# Altium PCB betrusted_evt2b.PcbDoc (part 3 of 6) (continued)
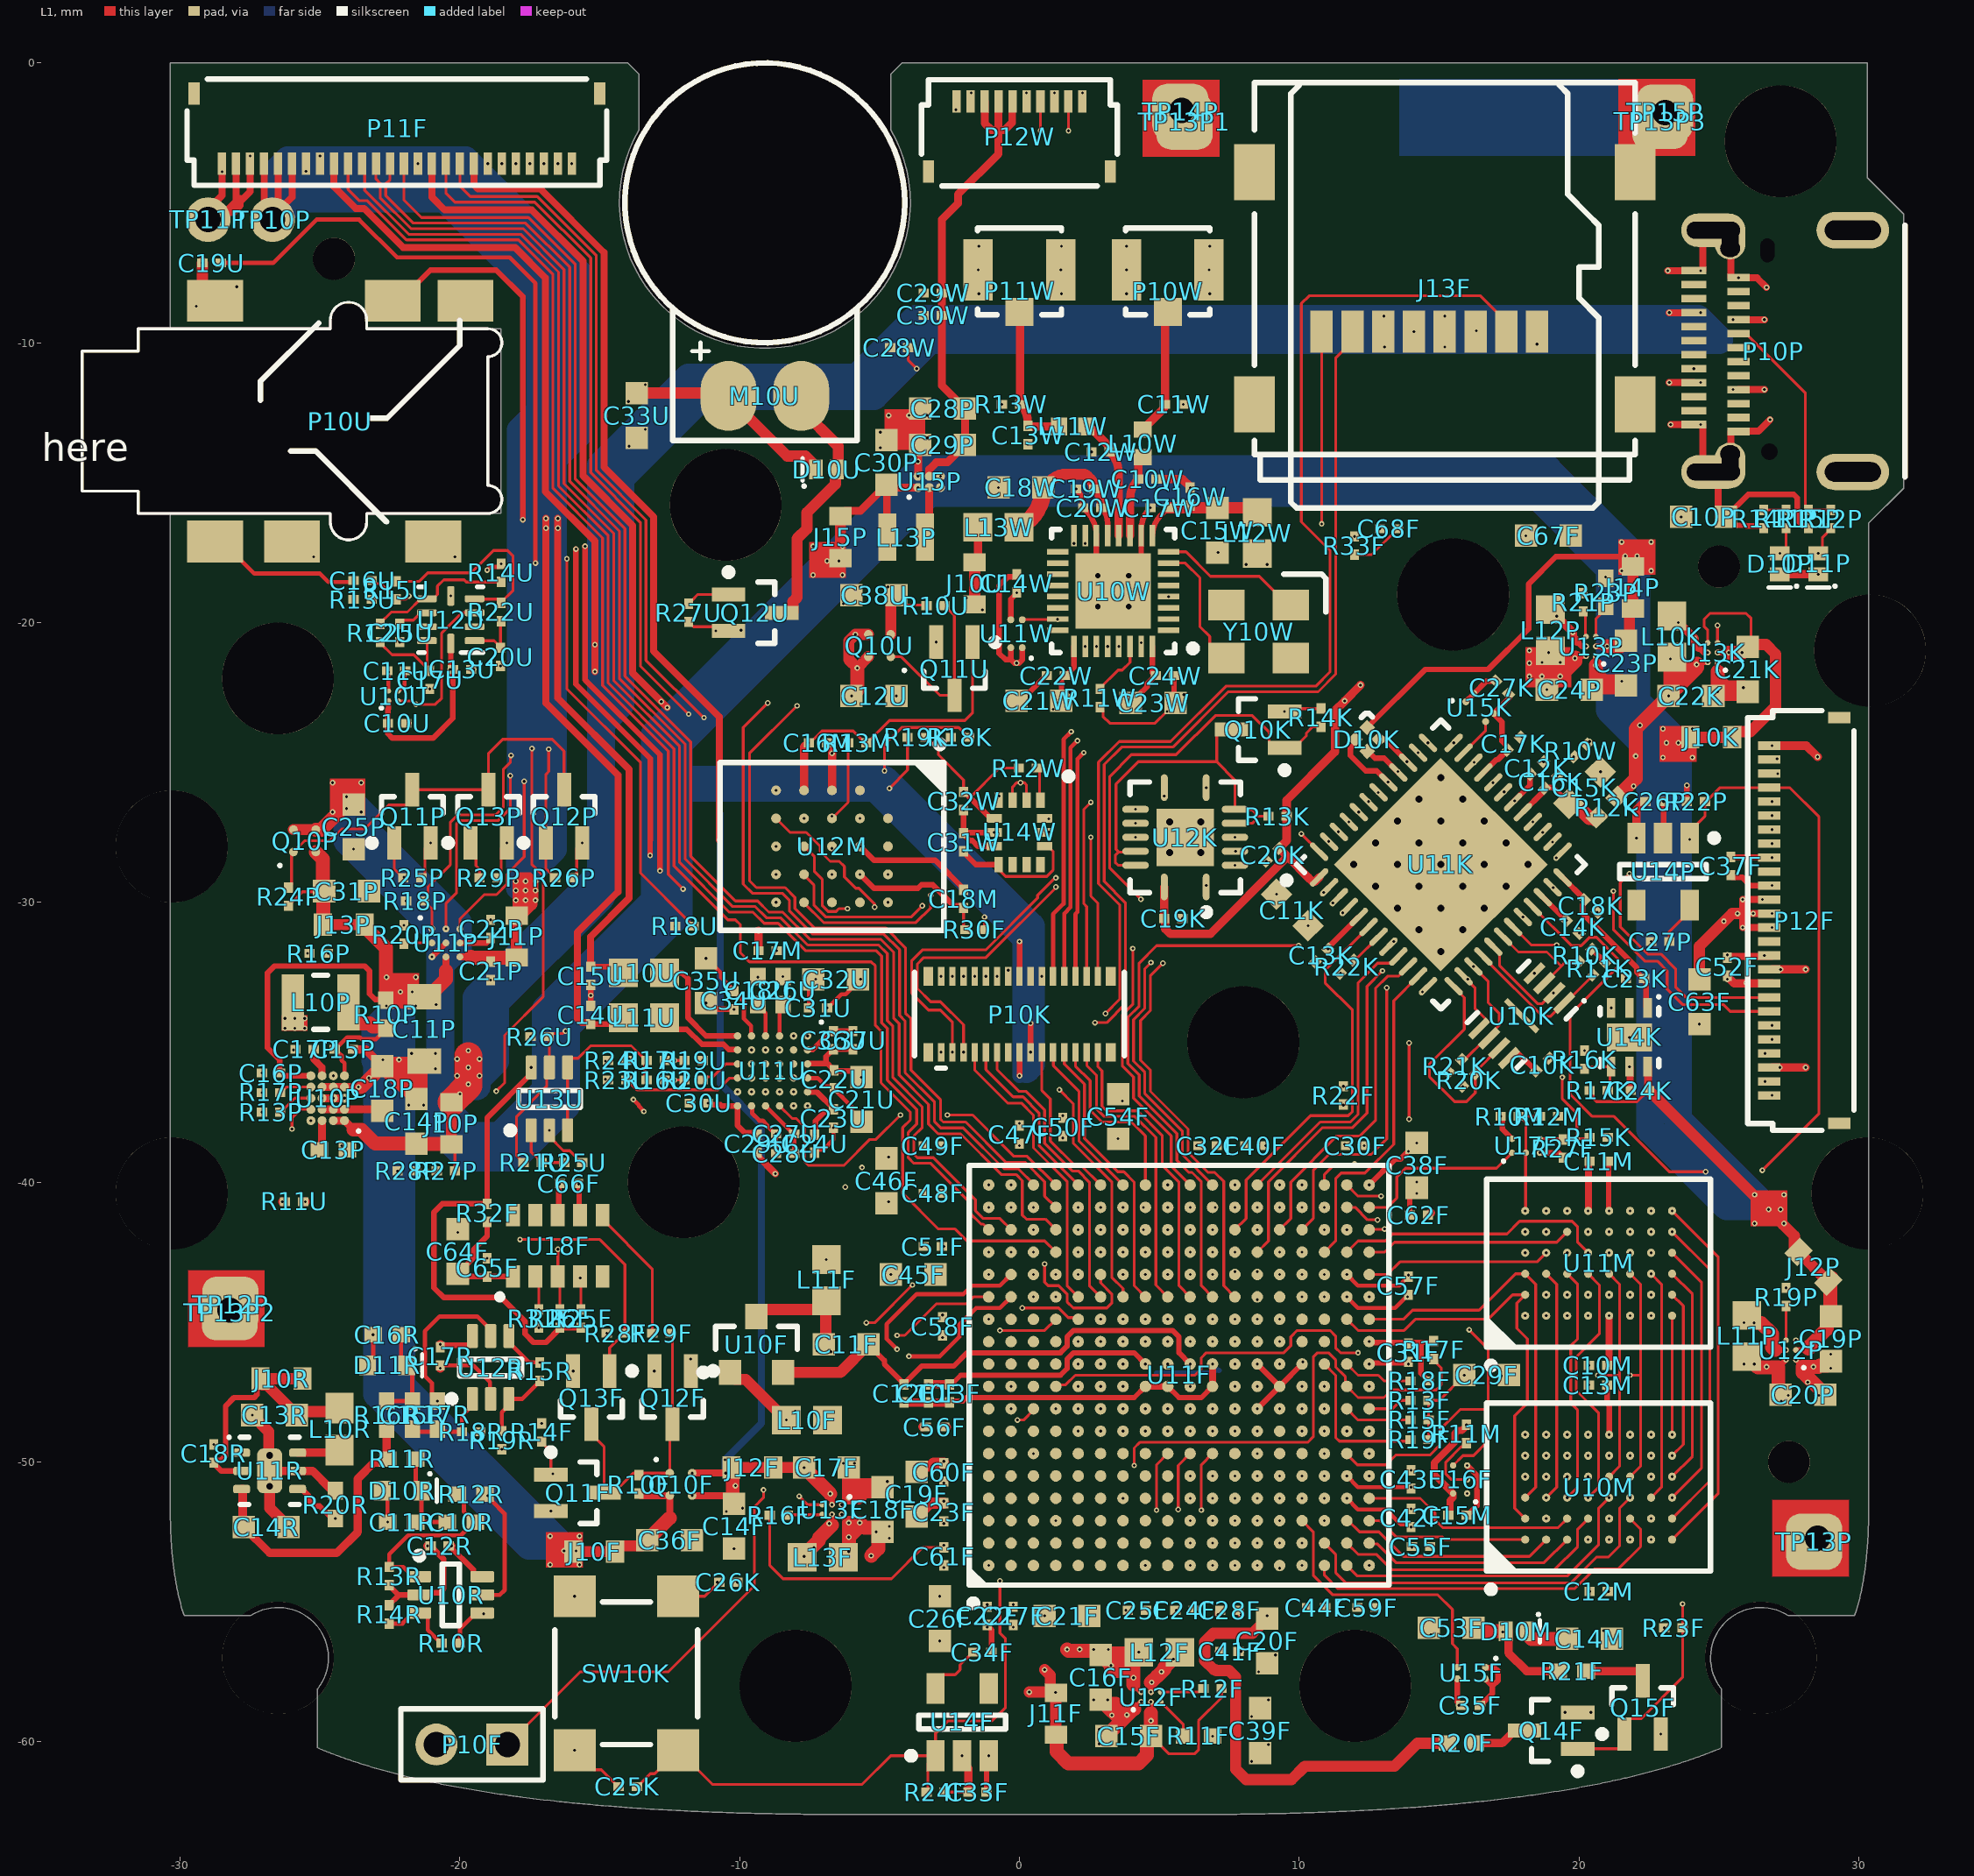
[diagram p0: L1 view]
## Nets (pads, with @x,y where several pads share a name; then routed paths per layer and width w, separated by ;. In a path a pad name is that pad's centre, name@x,y a point inside that pad or via, vN(x,y) a via of type N, cw(c..) or ccw(c..) an arc to the next point about the centre after c; other vN are vias at no path point) (continued)
  other v3: 6.9,-52.9 9.3,-52.1 11.7,-51.3 2.5,-49.3 4.1,-49.3 8.1,-49.3 1.7,-48.5 7.3,-48.5 8.1,-47.7 1.7,-46.1 2.5,-45.3 4.1,-45.3 6.5,-45.3 8.1,-45.3 9.7,-45.3 4.9,-44.5 0.5,-41.7 8.5,-41.7 2.9,-40.9 10.9,-40.9 5.3,-40.1
  other v4: 15.06,-31.76 14.282,-30.982 15.837,-30.982 13.504,-30.204 15.06,-30.204 16.615,-30.204 12.726,-29.427 14.282,-29.427 15.837,-29.427 17.393,-29.427 11.948,-28.649 13.504,-28.649 15.06,-28.649 16.615,-28.649 18.171,-28.649 5.375,-28.225 6.475,-28.225 12.726,-27.871 14.282,-27.871 15.837,-27.871 17.393,-27.871 5.375,-27.125 6.475,-27.125 13.504,-27.093 15.06,-27.093 16.615,-27.093 14.282,-26.315 15.837,-26.315 15.06,-25.537
  other v5: 2.8,-19.425 3.9,-19.425 3.9,-18.325
  other v6: -26.8,-49.77
GPIO0: P11F.10 U11F.B18 | length 51.8
  L1 w0.1: P11F.10@-24,-3.6 -24,-4.518 -23.593,-4.925 -23.311,-4.925 -21.911,-6.325 -17.908,-6.325 -16.675,-7.558 -16.675,-15.203 -14.9,-16.978 -14.9,-22.245 -12.55,-24.595 -12.55,-29 v1(-12.025,-29.525)
  L2 w0.1: v1(-12.025,-29.525) -8.55,-29.525 -6.075,-32 -4.558,-32 -3.6,-32.958 -3.6,-36.221 -1.975,-37.846 -1.975,-38.425 v1(-0.3,-40.1)
  other v2: -0.3,-40.1
GPIO1: P11F.11 U11F.D15 | length 56.4
  L1 w0.1: P11F.11@-23.5,-3.6 -23.4,-3.7 -23.4,-4.553 -21.828,-6.125 -17.825,-6.125 -16.475,-7.475 -16.475,-15.12 -14.7,-16.895 -14.7,-22.162 -12.35,-24.512 -12.35,-28.7 -10.425,-30.625 -10.15,-30.625 -9.975,-30.8 -9.975,-31.8 -9.65,-32.125 -5.3,-32.125 -5.15,-32.275 -5.15,-34.401 -4.95,-34.601 -4.95,-36.443 -3.9,-37.493 -3.9,-37.775 -4.175,-38.05 -4.175,-40.4 -2.9,-41.675 -2.3,-41.675 -1.875,-42.1 0.9,-42.1 U11F.D15@1.3,-42.5
GPIO2: P11F.12 U11F.A16 | length 52.4
  L1 w0.1: P11F.12@-23,-3.6 -23,-4.15 -22.85,-4.3 -22.85,-4.82 -21.745,-5.925 -17.733,-5.925 -16.275,-7.383 -16.275,-15.038 -14.5,-16.813 -14.5,-22.08 -12.15,-24.43 -12.15,-28.575 -10.375,-30.35 -9.525,-30.35 -9.125,-30.75 -8.625,-30.75 -7.65,-31.725 -5.125,-31.725 -4.925,-31.925 -4.925,-34.308 -4.725,-34.508 -4.725,-36.35 -3.675,-37.4 -3.675,-37.925 -3.975,-38.225 -3.975,-39.125 -3.775,-39.325 -3.175,-39.325 -1.775,-40.725 -1.775,-41.1 -1.375,-41.5 -1.3,-41.5 U11F.A16@-1.1,-41.7
GPIO3: P11F.13 U11F.B16 | length 53
  L1 w0.1: P11F.13@-22.5,-3.6 -22.5,-4.175 -22.65,-4.325 -22.65,-4.738 -21.663,-5.725 -17.65,-5.725 -16.075,-7.3 -16.075,-14.955 -14.3,-16.73 -14.3,-21.997 -11.95,-24.347 -11.95,-28.45 -10.25,-30.15 -9.442,-30.15 -9.042,-30.55 -8.542,-30.55 -7.567,-31.525 -5.033,-31.525 -4.725,-31.833 -4.725,-34.225 -4.525,-34.425 -4.525,-36.267 -3.475,-37.317 -3.475,-38.05 -3.775,-38.35 -3.775,-39 -3.65,-39.125 -3.075,-39.125 -1.575,-40.625 -1.575,-41.017 -1.292,-41.3 -0.7,-41.3 U11F.B16@-0.3,-41.7
GPIO4: P11F.14 U11F.D16 | length 53.4
  L1 w0.1: P11F.14@-22,-3.6 -22,-4.9 -21.375,-5.525 -17.55,-5.525 -15.875,-7.2 -15.875,-14.872 -14.1,-16.647 -14.1,-21.914 -11.75,-24.264 -11.75,-28.35 -10.15,-29.95 -9.359,-29.95 -8.959,-30.35 -8.459,-30.35 -7.484,-31.325 -4.95,-31.325 -4.499,-31.776 -4.499,-34.131 -4.299,-34.331 -4.299,-36.174 -3.249,-37.224 -3.249,-37.926 -2.901,-38.274 -2.101,-38.274 -0.65,-39.725 -0.124,-39.725 0.1,-39.949 0.1,-41.175 0.25,-41.325 0.925,-41.325 U11F.D16@1.3,-41.7
GYRO_INT0: U11K.43 U14W.4 | length 14.4
  L2 w0.1: v1(-0.725,-26.2) 0.201,-26.2 1.301,-25.1 2.486,-25.1 2.661,-24.925 2.686,-24.9 8.2,-24.9 8.4,-25.1 11.175,-25.1 v1(12.475,-26.4)
HP_DET: P10U.6 R18U.1 U11U.C4 | length 26.3
  L1 w0.1: v1(-16.175,-17.725) -16.175,-22.375 -13.543,-25.007 -13.543,-28.957 -11.785,-30.715 -11.785,-30.74 -11.675,-30.85 v1(-11.65,-30.85)
  L2 w0.1: v1(-20.175,-17.65) -20.025,-17.5 -16.4,-17.5 v1(-16.175,-17.725) ; v1(-11.65,-30.85) -11.65,-31.525 -11.825,-31.7 -11.825,-33.546 -9.846,-35.525 -9.325,-35.525 v1(-8.575,-36.275)
HP_LEFT: P10U.2 U11U.B1 | length 39.6
  L1 w0.2: P10U.2@-22.4,-8.5 -22.15,-8.5 -21.05,-7.4 -18.7,-7.4 -17.75,-8.35 v1(-17.75,-16.325) ; v1(-15.525,-17.275) -15.525,-22.05 -12.854,-24.721 v1@-12.854,-28.875
  L2 w0.2: v1(-17.75,-16.325) -17.125,-16.95 -15.85,-16.95 v1(-15.525,-17.275) ; v1(-12.85,-28.875) -12.85,-29.675 -12.2,-30.325 -10.775,-30.325 -8.9,-32.2 -7.175,-32.2 -6.75,-32.625 -6.75,-32.875 -6.925,-33.05 -6.925,-33.25 -7.225,-33.55 -7.225,-33.925 v1(-8.075,-34.775)
HP_MIC: C16U.1 P10U.1 R13U.1 | length 6.2
  L1 w0.1: R13U.1@-23.8,-19.175 C16U.1@-23.8,-18.5
  L1 w0.15: P10U.1@-28.75,-17.1 -28.5,-17.1 -27.35,-18.25 -25,-18.25 -24.7,-18.55 -23.85,-18.55 C16U.1@-23.8,-18.5
HP_RIGHT: P10U.3 U11U.A1 | length 35.4
  L1 w0.2: v1(-15.85,-17.375) -15.85,-22.2 -13.19,-24.86 -13.19,-27.775 -13.2,-27.785 v1(-13.2,-28.325)
  L2 w0.2: v1(-25.225,-17.65) -21.025,-17.65 -20.625,-17.25 -15.975,-17.25 v1(-15.85,-17.375) ; v1(-13.2,-28.325) -12.8,-28.325 -12.45,-28.675 -12.45,-29.575 -12.05,-29.975 -9.5,-29.975 -8.825,-30.65 -8.175,-30.65 -6.55,-32.275 -5.475,-32.275 -5.23,-32.52 -5.23,-32.955 -7.05,-34.775 v1(-7.575,-34.775)
I2C0_SCL: P11F.18 R19K.1 U10P.A4 U11K.23 U11P.A3 U14W.13 | length 95.5
  L1 w0.1: v1(-20,-30.95) -20,-30.6 -19.125,-29.725 -18.693,-29.725 -18.315,-29.347 -18.315,-28.99 -17.7,-28.375 v1(-17.7,-25.675) ; P11F.18@-20,-3.6 -20,-4.4 -19.625,-4.775 -17.239,-4.775 -15.125,-6.889 -15.125,-14.561 -13.35,-16.336 -13.35,-21.35 v1@-11.287,-23.413 ; v1(-4.65,-25.925) -4,-25.275 R19K.1@-4,-24.1
  L2 w0.1: v1(-25.325,-37.8) -26.125,-37 -26.125,-35.925 -26.875,-35.175 -26.875,-33.525 -25.795,-32.445 -25.395,-32.445 -25.025,-32.075 -25.025,-31.8 -24.95,-31.725 -24.95,-31.721 -24.729,-31.5 -22.775,-31.5 -22.6,-31.675 -21.625,-31.675 -21.325,-31.375 -20.425,-31.375 v1(-20,-30.95) ; v1(-17.7,-25.675) -17.7,-25.425 -17.35,-25.075 -12.95,-25.075 v1(-11.275,-23.4) -11.075,-23.6 -10.975,-23.6 -9.175,-25.4 -5.175,-25.4 v1(-4.65,-25.925) ; v1@-4.654,-25.929 -2.809,-27.775 -1.8,-27.775 -1.175,-28.4 0.138,-28.4 v1(1.05,-27.487) 2.384,-27.487 3.446,-26.425 4.65,-26.425 4.95,-26.725 9.65,-26.725 10.35,-27.425 10.35,-28.225 12.5,-30.375 12.5,-33.061 12.939,-33.5 13.45,-33.5 13.75,-33.2 13.75,-32.433 15.601,-30.582 16.003,-30.582 16.721,-31.3 18.136,-31.3 19.075,-30.361 v1(19.075,-29.475)
I2C0_SDA: P11F.17 R18K.1 U10P.B4 U11K.25 U11P.A2 U14W.14 | length 101.6
  L1 w0.1: v1(-26,-38.1) -26,-37.7 -25.7,-37.4 U10P.B4@-25.325,-37.4 ; v1(-20.5,-30.95) -20.5,-30.05 -20.125,-29.675 -20.125,-27.2 -20,-27.075 -18.625,-27.075 -18.2,-26.65 v1(-18.2,-25.475) ; P11F.17@-20.5,-3.6 -20.5,-4.65 -20.175,-4.975 -17.322,-4.975 -15.325,-6.972 -15.325,-14.644 -13.55,-16.419 -13.55,-21.55 v1(-11.825,-23.275) ; v1(-4.825,-25.3) -4.825,-24.368 -4.207,-23.75 -2.175,-23.75 -1.825,-24.1 R18K.1@-1.8,-24.1
  L2 w0.1: v1(-26,-38.1) -26.475,-37.625 -26.475,-35.95 -27.15,-35.275 -27.15,-32.959 -25.591,-31.4 -25.575,-31.4 -25.4,-31.225 -22.55,-31.225 -22.375,-31.4 -21.825,-31.4 -21.375,-30.95 v1(-20.5,-30.95) ; v1(-18.2,-25.475) -17.6,-24.875 -13.05,-24.875 -11.825,-23.65 v1(-11.825,-23.275) -11.65,-23.1 -11.075,-23.1 -9,-25.175 -4.977,-25.175 -4.852,-25.3 v1(-4.825,-25.3) -4.625,-25.5 -4.425,-25.5 -4.333,-25.592 -4.333,-25.933 -2.716,-27.55 -1.725,-27.55 -1.125,-28.15 -0.088,-28.15 v1(1.05,-27.012) 2.288,-27.012 2.625,-26.675 2.888,-26.675 3.363,-26.2 4.725,-26.2 5.025,-26.5 9.8,-26.5 10.6,-27.3 10.6,-28.175 12.7,-30.275 12.7,-32.979 13.021,-33.3 13.35,-33.3 13.525,-33.125 13.525,-32.375 15.525,-30.375 16.15,-30.375 16.825,-31.05 18.103,-31.05 18.825,-30.328 18.825,-28.775 v1(19.188,-28.412)
I2C1_SCL: R26F.1 U11F.C14 U11U.B6 U18F.3 | length 26.7
  L1 w0.1: v1(-16.5,-42.4) U18F.3@-16.5,-43.375 -16.425,-43.45 R26F.1@-16.425,-44.55
  L2 w0.1: v1(-8.075,-37.275) -7.8,-37.55 -7.125,-37.55 -7.05,-37.475 -6.65,-37.475 -6.225,-37.9 v1(-6.225,-40.175) -6.225,-40.575 -3.9,-42.9 -2.4,-42.9 -1.725,-43.575 0.2,-43.575 0.475,-43.3 v1(0.5,-43.3)
  L7 w0.1: v1(-16.5,-42.4) -13.95,-42.4 -13.45,-42.9 -8.95,-42.9 v1(-6.225,-40.175)
  other v2: -16.5,-42.4 -6.225,-40.175
I2C1_SDA: R25F.1 U11F.A14 U11U.A6 U18F.4 | length 24.1
  L1 w0.1: U18F.4@-15.7,-43.375 -15.675,-43.4 R25F.1@-15.675,-44.55
  L2 w0.1: v1(-7.575,-37.275) -6.55,-37.275 -5.6,-38.225 -5.6,-40.917 -3.817,-42.7 -1.725,-42.7 -1.125,-43.3 v1(-1.1,-43.3)
  L7 w0.1: v1(-15.7,-43.425) -8.525,-43.425 -5.625,-40.525 v1(-5.625,-39.475)
  other v2: -15.7,-43.425 -5.625,-39.475
INIT_B: R15F.1 U11F.U8 | length 2.4
  L1 w0.1: U11F.U8@11.7,-48.1 12.1,-48.5 R15F.1@13.975,-48.5
JTAG_TCK: P12F.25 U11F.D9 | length 38.3
  L1 w0.1: U11F.D9@1.3,-47.3 1.357,-47.243 1.655,-47.243 1.998,-46.9 6.275,-46.9 6.5,-46.675 6.5,-46.275 6.675,-46.1 9.45,-46.1 9.7,-45.85 9.7,-45.525 9.925,-45.3 11.1,-45.3 11.3,-45.5 11.3,-45.925 11.475,-46.1 v1(12.1,-46.1)
  L2 w0.1: v1(12.1,-46.1) 12.1,-45.35 12.9,-44.55 12.9,-42.925 12.125,-42.15 12.125,-40.875 11.075,-39.825 11.075,-39.5 10.65,-39.075 10.65,-38.575 10.925,-38.3 12.01,-38.3 13.085,-37.225 25.825,-37.225 v1(26.65,-36.4)
JTAG_TDI: P12F.22 U11F.R9 | length 29.2
  L2 w0.1: v1(10.1,-47.3) 10.325,-47.075 10.525,-47.075 10.7,-46.9 10.875,-46.9 11.3,-46.475 11.3,-42.775 10.5,-41.975 10.5,-39.85 10.15,-39.5 10.15,-38.483 10.733,-37.9 11.844,-37.9 14.094,-35.65 15.825,-35.65 16.925,-36.75 24.55,-36.75 26.4,-34.9 v1(26.9,-34.9)
JTAG_TDO: P12F.26 U11F.T8 | length 28.2
  L2 w0.1: v1(10.9,-48.1) 12.2,-46.8 12.9,-46.8 13.375,-46.325 13.375,-45.2 13.1,-44.925 13.1,-42.45 12.35,-41.7 12.35,-40.608 11.5,-39.758 11.5,-39.15 13.225,-37.425 15.525,-37.425 16.325,-38.225 19.375,-38.225 20.05,-37.55 26.25,-37.55 v1(26.9,-36.9)
JTAG_TMS: P12F.23 U11F.T9 | length 27.5
  L2 w0.1: v1(10.9,-47.3) 11.5,-46.7 11.5,-45.272 12.1,-44.672 12.1,-43.05 11.3,-42.25 11.3,-40.658 10.775,-40.133 10.775,-39.75 10.425,-39.4 10.425,-38.491 10.816,-38.1 11.927,-38.1 13.002,-37.025 16.1,-37.025 16.175,-36.95 25.1,-36.95 v1(26.65,-35.4)
KEY0: P10K.16 U11F.F15 | length 12.9
  L2 w0.1: v1(-2.8,-32.645) -2.4,-33.045 -2.4,-33.125 -2.396,-33.125 0.234,-35.755 0.53,-35.755 0.875,-36.1 v2(0.875,-36.7)
  L7 w0.1: v2(0.875,-36.7) 1.2,-36.7 2.5,-38 2.5,-38.675 3.3,-39.475 3.3,-42.1 v2(2.9,-42.5)
  other v1: 2.9,-42.5
KEY1: P10K.1 U11F.E17 | length 7.8
  L2 w0.1: v1(-2.8,-35.355) -2.8,-36.1 -0.6,-38.3 -0.6,-38.666 0.084,-39.35 0.55,-39.35 v1(2.1,-40.9)
KEY2: P10K.18 U11F.G17 | length 12.3
  L2 w0.1: v1(-2,-32.645) -0.748,-33.897 0.547,-33.897 1.85,-35.2 1.85,-36.65 1.075,-37.425 1.075,-38.516 1.584,-39.025 2.001,-39.025 3.7,-40.724 v1(3.7,-40.9)
KEY3: P10K.3 U11F.E14 U12K.1 | length 27.2
  L1 w0.1: v1(-2,-35.355) -2,-34.375 -2.825,-33.55 -3.175,-33.55 -3.65,-33.075 -3.65,-32.2 -3.425,-31.975 -1.2,-31.975 v1@1.3,-29.475
  L2 w0.1: v1(-2,-35.355) -2,-36.15 -0.8,-37.35 0.025,-37.35 0.4,-37.725 0.4,-38.125 2.6,-40.325 2.9,-40.325 3.3,-40.725 3.3,-42.75 3.075,-42.975 2.701,-42.975 2.376,-43.3 v1(2.1,-43.3) ; v1(1.3,-29.45) 1.707,-29.45 1.782,-29.375 3.961,-29.375 3.986,-29.4 v1(6.675,-29.4)
KEY4: P10K.2 U11F.E15 U12K.3 | length 27.1
  L1 w0.1: v1(-2.4,-35.355) -2.4,-34.275 -2.825,-33.85 -3.25,-33.85 -3.85,-33.25 -3.85,-32.075 -3.475,-31.7 -1.208,-31.7 0.65,-29.842 0.65,-29.746 1.271,-29.125 v1(1.3,-29.125)
  L2 w0.1: v1(-2.4,-35.355) -2.4,-36.217 -0.317,-38.3 0.275,-38.3 2.5,-40.525 2.5,-41.066 2.5,-41.866 2.5,-42.1 v1(2.1,-42.5) v1@2.084,-42.484 ; v1(1.3,-29.125) 6.5,-29.125 7.45,-28.175 v1(7.725,-28.175)
KEY5: P10K.17 U11F.H15 | length 13.4
  L2 w0.1: v1(-2.4,-32.645) -0.195,-34.85 1.025,-34.85 1.425,-35.25 v2(1.425,-35.8)
  L7 w0.1: v2(1.425,-35.8) 1.441,-35.8 4.15,-38.509 4.15,-42.15 v2(4.5,-42.5)
  other v1: 4.5,-42.5
KEY6: P10K.19 U11F.G15 | length 13.1
  L2 w0.1: v1(-1.6,-32.645) -0.595,-33.65 0.65,-33.65 2.05,-35.05 2.05,-38.65 3.95,-40.55 3.95,-41.108 4.125,-41.283 4.125,-42.075 v1(3.7,-42.5)
KEY7: P10K.25 U11F.H14 | length 12.5
  L2 w0.1: v1(0.8,-32.645) 0.8,-32.775 2.65,-34.625 2.65,-38.225 4.675,-40.25 4.675,-42.025 4.9,-42.25 4.9,-42.9 v1(4.5,-43.3)
KEY8: P10K.20 U11F.H16 | length 12.1
  L2 w0.1: v1(-1.2,-32.645) -0.445,-33.4 0.754,-33.4 2.25,-34.896 2.25,-38.496 4.15,-40.396 4.15,-41.025 4.425,-41.3 v1(4.425,-41.7)
KEY9: P10K.21 U11F.H17 | length 11.1
  L2 w0.1: v1(-0.8,-32.645) -0.295,-33.15 0.857,-33.15 2.45,-34.743 2.45,-38.343 4.425,-40.318 v1(4.425,-40.9)
KEY10: P10K.5 U11F.E18 | length 6.3
  L1 w0.1: P10K.5@-1.2,-35.355 -1.2,-35.975 -0.225,-36.95 0.125,-36.95 0.7,-37.525 0.7,-38.692 2.1,-40.092 U11F.E18@2.1,-40.1
KEY11: P10K.10 U11F.F18 | length 5.7
  L1 w0.1: P10K.10@0.8,-35.355 0.8,-36.725 1.1,-37.025 1.1,-38.526 1.974,-39.4 2.2,-39.4 U11F.F18@2.9,-40.1
KEY12: P10K.11 U11F.G18 | length 5.8
  L1 w0.1: P10K.11@1.2,-35.355 1.21,-35.365 1.21,-35.835 2.125,-36.75 2.125,-38.525 U11F.G18@3.7,-40.1
KEY13: P10K.4 U11F.E13 | length 10.6
  L1 w0.1: P10K.4@-1.6,-35.355 -1.6,-36 -0.425,-37.175 0.067,-37.175 0.5,-37.608 0.5,-38.775 1.7,-39.975 1.7,-43.7 U11F.E13@2.1,-44.1
KEY14: P10K.13 U11F.H18 | length 6.5
  L1 w0.1: P10K.13@2,-35.355 2,-35.85 2.525,-36.375 2.525,-37.428 2.947,-37.85 4,-37.85 4.5,-38.35 U11F.H18@4.5,-40.1 U11F.H18@4.559,-40.041
KEY15: P10K.6 U11F.F13 | length 10.5
  L1 w0.1: P10K.6@-0.8,-35.355 -0.8,-35.975 -0.025,-36.75 0.225,-36.75 0.9,-37.425 0.9,-38.609 1.891,-39.6 2.102,-39.6 2.5,-39.998 2.5,-43.7 U11F.F13@2.9,-44.1
KEY16: P10K.12 U11F.H13 | length 10.1
  L1 w0.1: P10K.12@1.6,-35.355 1.6,-35.775 2.325,-36.5 2.325,-38.442 3.508,-39.625 3.727,-39.625 4.1,-39.998 4.1,-43.7 U11F.H13@4.5,-44.1
KEY17: P10K.14 U11F.J13 | length 10.6
  L1 w0.1: P10K.14@2.4,-35.355 2.41,-35.365 2.41,-35.835 2.75,-36.175 2.75,-37.37 3.03,-37.65 4.125,-37.65 4.875,-38.4 4.875,-43.675 U11F.J13@5.3,-44.1
KEY18: P10K.15 U11F.K13 | length 10.8
  L1 w0.1: P10K.15@2.8,-35.355 2.8,-35.875 2.95,-36.025 2.95,-37.287 3.113,-37.45 4.225,-37.45 5.1,-38.325 5.1,-39.398 5.7,-39.998 5.7,-43.7 U11F.K13@6.1,-44.1
LCD_DISP: C28W.1 P12W.5 U11K.44 | length 53.3
  L1 w0.1: C28W.1@-3.975,-10.175 -3.975,-10.625 v2(-3.675,-10.925)
  L2 w0.1: v2(-0.975,-25.1) -0.975,-26.375 -0.825,-26.525 0.159,-26.525 1.384,-25.3 2.569,-25.3 2.769,-25.1 8.075,-25.1 8.275,-25.3 10.65,-25.3 v1(12.125,-26.775)
  L7 w0.1: v2(-0.975,-25.1) -1.325,-25.45 -8.1,-25.45 -9.725,-23.825 -9.725,-21.75 -8.075,-20.1 -7.675,-20.1 -5.687,-18.112 -5.687,-12.938 v2(-3.675,-10.925) -2.625,-9.875 -2.625,-3.95 v2(0.25,-1.075)
  other v1: -3.675,-10.925 0.25,-1.075
LCD_SCLK: P12W.1 U11F.A17 | length 43.6
  L7 w0.1: v1(-1.1,-40.9) -0.275,-40.9 0.25,-40.375 0.25,-39.3 0.525,-39.025 0.525,-37.65 -0.525,-36.6 -0.525,-33.65 2.45,-30.675 2.45,-21.275 1.25,-20.075 1.25,-13.625 2.25,-12.625 v2(2.25,-1.075)
  other v1: 2.25,-1.075
  other v2: -1.1,-40.9
LCD_SCS: P12W.3 U11F.C18 | length 50.8
  L1 w0.1: v1(-9,-22.875) -9.875,-23.75 -9.875,-29.35 -9.55,-29.675 -8.475,-29.675 -8.225,-29.925 -8.225,-30.301 -7.401,-31.125 -4.858,-31.125 -4.287,-31.696 -4.287,-34.044 -4.087,-34.244 -4.087,-36.086 -3.037,-37.136 -3.037,-37.838 -2.813,-38.062 -2.013,-38.062 -0.55,-39.525 -0.041,-39.525 0.517,-40.083 U11F.C18@0.5,-40.1
  L7 w0.1: v2(-9,-22.85) -5.2,-19.05 -5.2,-18.1 -2.3,-15.2 -2.3,-4.625 v2(1.25,-1.075)
  other v1: 1.25,-1.075
LCD_SI: P12W.2 U11F.D17 | length 53.8
  L1 w0.1: v1(-7.95,-22.975) -9.65,-24.675 -9.65,-29.225 -9.4,-29.475 -8.375,-29.475 -8.025,-29.825 -8.025,-30.219 -7.319,-30.925 -4.775,-30.925 -4.075,-31.625 -4.075,-33.956 -3.875,-34.156 -3.875,-35.998 -2.825,-37.048 -2.825,-37.75 -2.725,-37.85 -1.925,-37.85 -0.475,-39.3 0.217,-39.3 0.9,-39.983 0.9,-40.5 U11F.D17@1.3,-40.9 ; v2(1.75,-2.425) P12W.2@1.75,-1.375
  L7 w0.1: v2(-7.95,-22.95) -6.075,-21.075 -4.875,-21.075 -3.35,-19.55 -3.35,-17.925 -2.05,-16.625 -2.05,-4.659 0.684,-1.925 1.25,-1.925 v2(1.75,-2.425)
  other v1: 1.75,-2.425
LS+: L10U.1 U11U.F1 | length 4.7
  L1 w0.2: L10U.1@-12.915,-32.325 -12.715,-32.525 -12.05,-32.525 -11.85,-32.725 -11.85,-34.125 -11.2,-34.775 U11U.F1@-10.075,-34.775
LS-: L11U.1 U11U.F2 | length 3.1
  L1 w0.2: L11U.1@-12.69,-34.125 -12.28,-34.535 -11.89,-34.535 -11.35,-35.075 -10.575,-35.075 -10.387,-35.263 -10.087,-35.263 U11U.F2@-10.075,-35.275
MICBIAS: C11U.1 R13U.2 U10U.A2 | length 3.8
  L1 w0.15: R13U.2@-23.225,-19.25 v1(-23.15,-19.175) ; C11U.1@-22.625,-21.725 C11U.1@-22.6,-21.725 v1(-22.556,-21.769) ; C11U.1@-22.581,-21.794 v1(-22.556,-21.769) ; U10U.A2@-22.55,-22.45 -22.556,-22.444 v1(-22.556,-21.769)
  L2 w0.15: v1(-23.15,-19.175) -23.15,-19.8 -22.7,-20.25 -22.7,-20.931 -22.556,-21.075 v1(-22.556,-21.769)
MICIN+: C16U.2 R15U.2 R23U.2 | length 23.7
  L1 w0.1: C16U.2@-23.15,-18.5 -23.04,-18.61 -22.815,-18.61 -22.275,-19.15 R15U.2@-22.275,-19.175 -21.95,-19.175 v1(-21.825,-19.05)
  L2 w0.1: v1(-21.825,-19.05) -20.7,-20.175 -20.7,-21.25 -22.487,-23.037 -22.487,-24.263 -20.537,-26.213 -20.537,-29.888 -19.662,-30.763 -19.662,-31.163 -16.937,-33.888 -16.937,-34.796 -15.658,-36.075 -15.3,-36.075 -15.05,-36.325 v1(-14.8,-36.325)
MICIN-: C19U.2 R14U.2 R24U.2 | length 47.4
  L1 w0.15: C19U.2@-28.55,-7.15 -26.675,-7.15 -25.125,-5.6 -23.6,-5.6 -22.25,-6.95 -18.225,-6.95 -17.3,-7.875 v1(-17.3,-17.875) ; v1(-19.025,-18.125) -18.91,-18.01 -18.61,-18.01 -18.525,-17.925 v1(-18.525,-17.9)
  L2 w0.1: v1(-19.025,-18.125) -19.025,-19.875 -22.275,-23.125 -22.275,-24.175 -20.325,-26.125 -20.325,-29.8 -19.45,-30.675 -19.45,-31.075 -16.725,-33.8 -16.725,-34.725 -15.6,-35.85 -15.275,-35.85 -15.1,-35.675 v1(-14.8,-35.675)
  L2 w0.15: v1(-18.525,-17.9) -18.5,-17.875 v1(-17.3,-17.875)
MON0: P10K.29 U12K.8 | length 9.2
  L1 w0.1: P10K.29@2.4,-32.645 2.4,-30.15 2.3,-30.05 2.3,-28.363 2.3,-26.675 v1(2.55,-26.425)
  L2 w0.1: v1(2.55,-26.425) 2.775,-26.425 3.2,-26 4.975,-26 v1(5.175,-26.2)
MON1: P10K.30 U12K.11 | length 6.7
  L1 w0.1: v1(2.55,-27.675) 2.55,-29.775 2.8,-30.025 P10K.30@2.8,-32.645
  L2 w0.1: v1(2.55,-27.675) v1(4.15,-27.675)
NetC17P_1: C17P.1 U10P.E3 | length 1.1
  L1 w0.1: U10P.E3@-24.935,-36.19 U10P.E3@-24.925,-36.2
  L1 w0.25: C17P.1@-25.225,-35.25 -25.225,-35.6 -24.935,-35.89 U10P.E3@-24.935,-36.19
NetC17U_1: C17U.1 R12U.1 U12U.9 | length 3.2
  L1 w0.1: R12U.1@-22.85,-20.7 -22.85,-20.725 -22.425,-21.15 -21.65,-21.15 -21.21,-21.59 -21.185,-21.59 C17U.1@-21.175,-21.6 ; U12U.9@-21.175,-20.65 C17U.1@-21.175,-21.6 ; C17U.1@-21.075,-21.725 -21.175,-21.625 C17U.1@-21.175,-21.6
NetC20U_1: C20U.1 R22U.1 U12U.1 | length 2
  L1 w0.1: U12U.1@-19.475,-20.65 -18.775,-20.65 C20U.1@-18.55,-20.875 ; C20U.1@-18.55,-20.9 C20U.1@-18.55,-20.875 ; R22U.1@-18.525,-19.95 -18.55,-19.975 C20U.1@-18.55,-20.875
NetD10U_1: D10U.1 M10U.2 Q12U.3 | length 9.5
  L1 w0.4: Q12U.3@-8.5,-19.65 -8.15,-19.65 -8.1,-19.6 -8.1,-19.25 -7.95,-19.1 -7.95,-17 -7.6,-16.65 -7.6,-16.075 -6.575,-15.05 -6.575,-14.575 D10U.1@-6.525,-14.525 ; M10U.2@-7.8,-11.8 -7.8,-12.375 -6.475,-13.7 D10U.1@-6.475,-14.65
NetL13P_2: L13P.2 U15P.B1 | length 1.8
  L1 w0.28: L13P.2@-3.375,-16.95 -3.225,-16.8 U15P.B1@-3.225,-15.175
NetP10F_1: P10F.1 R17F.2 U11F.U9 | length 46.9
  L1 w0.1: P10F.1@-18.3,-60.1 -15.7,-57.5 -12.55,-57.5 -9.475,-54.425 -9.475,-51.6 -9.15,-51.275 v1(-9.15,-51) ; v1@4.1,-50.1 4.1,-49.5 4.3,-49.3 10.3,-49.3 10.5,-49.1 10.5,-46.25 10.65,-46.1 11.05,-46.1 11.3,-46.35 11.3,-46.602 11.643,-46.945 11.643,-47.243 U11F.U9@11.7,-47.3 12.1,-47.7 13.025,-47.7 13.3,-47.425 14.9,-47.425 15.075,-47.25 15.075,-46.64 14.8,-46.365 R17F.2@14.8,-46.325
  L2 w0.1: v1(-9.15,-51) -9.15,-50.025 -8.05,-48.925 -4.015,-48.925 -3.765,-49.175 -1.55,-49.175 -1.1,-49.625 0.009,-49.625 0.209,-49.425 0.8,-49.425 1.5,-50.125 v1(4.1,-50.125)
NetP10P_A5: P10P.A5 R11P.1 R14P.1 | length 9
  L1 w0.1: R14P.1@26.6,-15.975 R11P.1@27.4,-15.975
  L2 w0.1: v1(24.1,-10.925) 26.75,-10.925 27.675,-11.85 27.675,-15.725 v1(27.4,-16)
NetP10P_B5: P10P.B5 R12P.2 R15P.1 | length 8.3
  L1 w0.1: P10P.B5@25.7,-9.675 25.965,-9.675 28.09,-11.8 28.09,-15.865 R15P.1@28.2,-15.975 R12P.2@29,-15.975
NetQ10U_1: Q10U.1 Q11U.3 R10U.1 | length 6.2
  L1 w0.1: Q10U.1@-4.6,-21.225 -4.225,-21.225 -2.85,-22.6 Q11U.3@-2.325,-22.6 -2.325,-19.75 -2.54,-19.535 -2.54,-19.51 -2.65,-19.4 R10U.1@-2.675,-19.4
NetQ14F_3: Q14F.3 R20F.1 | length 1.9
  L1 w0.3: R20F.1@16.3,-60.05 17.25,-60.05 17.7,-59.6 Q14F.3@18.05,-59.6
NetQ15F_3: Q15F.3 R21F.1 | length 2.3
  L1 w0.3: R21F.1@20.25,-57.475 22.175,-57.475 22.275,-57.575 Q15F.3@22.275,-57.825
NetR10R_2: R10R.2 R14R.2 U10R.3 | length 2.8
  L1 w0.15: R14R.2@-22.525,-55.775 -22.05,-55.775 -21.675,-55.4 U10R.3@-21.45,-55.4 -21.275,-55.4 -21.15,-55.525 -21.15,-56 -20.675,-56.475 R10R.2@-20.65,-56.475
NetR11F_1: R11F.1 U12F.C1 | length 1.6
  L1 w0.1: U12F.C1@5.05,-58.575 5.85,-59.375 R11F.1@5.85,-59.8
NetR11W_1: R11W.1 U10W.30 | length 2.1
  L1 w0.1: R11W.1@2.875,-22.375 2.875,-22.35 3.525,-21.7 3.675,-21.7 3.95,-21.425 U10W.30@3.95,-20.855
NetR12F_1: R12F.1 U12F.C2 | length 1.6
  L1 w0.1: U12F.C2@5.05,-58.225 6.41,-58.225 6.535,-58.1 R12F.1@6.575,-58.1
NetR12U_2: R12U.2 R14U.1 U12U.6 | length 5.2
  L1 w0.1: R12U.2@-22.85,-20.05 -22.85,-20.025 -22.45,-19.625 -21.875,-19.625 -21.4,-19.15 U12U.6@-21.175,-19.15 -20.95,-19.15 -20.8,-19 -20.8,-18.7 -20.575,-18.475 -19.85,-18.475 -19.775,-18.55 R14U.1@-18.525,-18.55
NetR12W_1: R12W.1 U14W.1 | length 1.2
  L1 w0.1: R12W.1@0.625,-25.2 0.72,-25.295 0.72,-26.32 U14W.1@0.75,-26.35
NetR13F_1: R13F.1 U11F.V8 | length 1.6
  L1 w0.1: U11F.V8@12.5,-48.1 13.325,-48.1 13.625,-47.8 R13F.1@13.975,-47.8
NetR15R_2: R15R.2 R19R.2 U12R.3 | length 2.6
  L1 w0.15: R19R.2@-18.5,-48.9 -18.5,-48.225 -18.25,-47.975 U12R.3@-18.25,-47.75 -17.775,-47.75 -17.15,-47.125 R15R.2@-17.15,-47.1
NetR15U_1: R15U.1 R22U.2 U12U.4 | length 7.7
  L1 w0.1: R15U.1@-22.175,-18.425 R15U.1@-22.275,-18.525 -21.45,-18.525 -21.15,-18.225 -19.6,-18.225 -18.8,-17.425 -18.3,-17.425 -18.1,-17.625 -18.1,-18.85 R22U.2@-18.525,-19.275 ; U12U.4@-19.475,-19.15 -19.46,-19.165 -18.635,-19.165 R22U.2@-18.525,-19.275 ; R22U.2@-18.525,-19.3 R22U.2@-18.525,-19.275
NetR16F_2: R16F.2 U13F.C2 | length 1.2
  L1 w0.1: R16F.2@-8.275,-51.9 -8.262,-51.887 -7.063,-51.887 U13F.C2@-7.05,-51.875
NetR16K_2: R16K.2 R17K.2 U14K.4 | length 1.6
  L1 w0.1: R16K.2@20.2,-35.95 20.275,-35.875 U14K.4@21.15,-35.875 ; R17K.2@21.025,-36.725 21.1,-36.65 21.1,-36.175 U14K.4@21.125,-36.15
NetR16P_1: R16P.1 U10P.E2 | length 4.4
  L2 w0.1: v1(-24.7,-31.825) -24.7,-34.025 -24.525,-34.2 v1(-24.525,-36.2)
NetR16U_1: R16U.1 R17U.2 U13U.3 U13U.4 | length 6.4
  L1 w0.1: U13U.3@-16.15,-38.15 U13U.4@-16.15,-35.9 -16.15,-35.725 -16,-35.575 -15.775,-35.575 -15.325,-35.125 -13.875,-35.125 -13.35,-35.65 R17U.2@-13.325,-35.65 ; R16U.1@-13.4,-36.35 R17U.2@-13.4,-35.65
NetR17P_1: R17P.1 U10P.D4 | length 1.2
  L1 w0.1: R17P.1@-26.425,-36.8 -26.4,-36.8 -26.2,-36.6 U10P.D4@-25.325,-36.6
NetR18F_2: R18F.2 U11F.U10 | length 2.5
  L1 w0.1: U11F.U10@11.7,-46.5 12.1,-46.9 12.825,-46.9 13.025,-47.1 R18F.2@13.975,-47.1
NetR19F_2: R19F.2 U11F.T10 | length 5.5
  L1 w0.1: U11F.T10@10.9,-46.5 11.3,-46.9 11.3,-49.125 11.43,-49.255 13.92,-49.255 R19F.2@13.975,-49.2
NetR19P_2: R19P.2 U12P.C2 | length 1.2
  L1 w0.1: U12P.C2@27.4,-45.65 R19P.2@27.4,-44.425
NetR19U_1: R19U.1 U11U.E3 | length 1.8
  L2 w0.1: v1(-11.325,-35.65) -10.575,-35.65 -10.45,-35.775 v1(-9.575,-35.775)
NetR20U_1: R20U.1 U11U.F3 | length 1.5
  L1 w0.1: R20U.1@-11.325,-36.35 -11.215,-36.24 -10.965,-36.24 -10.5,-35.775 U11U.F3@-10.075,-35.775
NetR21P_2: R21P.2 U13P.C2 | length 0.9
  L1 w0.1: R21P.2@20.15,-19.6 20.231,-19.681 20.231,-20.481 U13P.C2@20.25,-20.5
NetR21U_1: R21U.1 R25U.2 U13U.1 | length 2.1
  L1 w0.1: U13U.1@-17.45,-38.15 -17.45,-38.925 -17.21,-39.165 -17.21,-39.19 -17.1,-39.3 R21U.1@-17.075,-39.3 R25U.2@-16.275,-39.3
NetR22F_1: R22F.1 U11F.L15 | length 10.9
  L2 w0.1: v1(6.9,-42.5) 7.45,-43.05 7.45,-43.304 7.596,-43.45 8.604,-43.45 8.75,-43.304 8.75,-43.025 8.367,-42.642 8.367,-42.295 8.15,-42.078 8.15,-41.916 8.1,-41.866 8.1,-40.15 9.236,-39.014 9.236,-38.489 10.475,-37.25 v1(11.575,-37.25)
NetR23P_1: R23P.1 U13P.C1 | length 1.2
  L1 w0.1: U13P.C1@20.6,-20.5 20.6,-19.875 20.95,-19.525 R23P.1@20.95,-19.475
NetR23U_1: R23U.1 U11U.F4 | length 4.3
  L1 w0.1: R23U.1@-14.05,-36.35 -14.025,-36.35 -13.675,-36.7 -10.775,-36.7 -10.358,-36.283 -10.083,-36.283 U11U.F4@-10.075,-36.275
NetR24U_1: R24U.1 U11U.E4 | length 4.8
  L2 w0.1: v1(-13.95,-35.6) -13.75,-35.4 -12.05,-35.4 -11.175,-36.275 -10.225,-36.275 v1(-9.575,-36.275)
NetU10W_7: U10W.7 Y10W.3 | length 4.7
  L1 w0.1: U10W.7@5.33,-17.875 5.925,-17.875 6.45,-18.4 6.45,-20.15 6.8,-20.5 6.8,-20.775 7.3,-21.275 Y10W.3@7.4,-21.275
NetU10W_8: U10W.8 Y10W.1 | length 5.2
  L1 w0.1: U10W.8@5.33,-17.475 5.95,-17.475 6.825,-18.35 8.575,-18.35 9.6,-19.375 Y10W.1@9.7,-19.375
NOISE0: R15R.1 U11F.B13 U12R.4 | length 22.2
  L1 w0.15: U12R.4@-18.25,-45.5 -18.25,-45.725 -17.535,-46.44 -17.16,-46.44 v1(-17.15,-46.45) ; v1(-3.95,-46.225) -2.85,-46.225 -2.15,-45.525 -2.15,-45.1 -1.55,-44.5 -0.7,-44.5 U11F.B13@-0.3,-44.1
  L2 w0.15: v1(-17.15,-46.45) -15.1,-48.5 -10.851,-48.5 -8.051,-45.7 -6.64,-45.7 -5.715,-46.625 -4.35,-46.625 v1(-3.95,-46.225)
NOISE1: R10R.1 U10R.4 U11F.B14 | length 40.1
  L1 w0.15: R10R.1@-20,-56.475 -20,-55.975 -19.425,-55.4 U10R.4@-19.2,-55.4 ; v1(-4.375,-45.975) -4.75,-45.6 -4.75,-45.075 -3.675,-44 -2,-44 -1.7,-43.7 -0.7,-43.7 U11F.B14@-0.3,-43.3
  L2 w0.15: v1(-19.15,-55.425) -19.15,-53.05 -22.025,-50.175 -22.025,-46.1 -20.1,-44.175 -17,-44.175 -12.975,-48.2 -10.975,-48.2 -8.225,-45.45 -6.525,-45.45 -5.6,-46.375 -4.775,-46.375 v1(-4.375,-45.975)
NOISE_ON0: R17R.2 U11F.P14 U12R.5 | length 47.2
  L1 w0.15: v1(-20.8,-47.825) -21,-47.625 -21,-47.175 -21.25,-46.925 -21.25,-45.325 -20.725,-44.8 -19.375,-44.8 -18.9,-45.275 U12R.5@-18.9,-45.5
  L2 w0.1: v1(-20.8,-47.825) -16.8,-47.825 -15.425,-49.2 -10,-49.2 -9.475,-49.725 -9.475,-51.2 -9.35,-51.325 -9.025,-51.325 -8.875,-51.175 -8.875,-50.075 -7.925,-49.125 -4.1,-49.125 -3.85,-49.375 -1.875,-49.375 -0.7,-50.55 0.917,-50.55 1.042,-50.425 4.341,-50.425 5.65,-49.116 5.65,-47.914 5.939,-47.625 6.3,-47.625 6.5,-47.425 6.5,-47.058 6.409,-46.966 5.841,-46.966 5.625,-46.75 5.625,-44.526 6.251,-43.9 7.475,-43.9 8.719,-43.9 9.3,-43.319 v1(9.3,-43.3)